# Allegro board OPT8241-CDK-EVM IB 10-50_REV2P0V1.brd (continued)
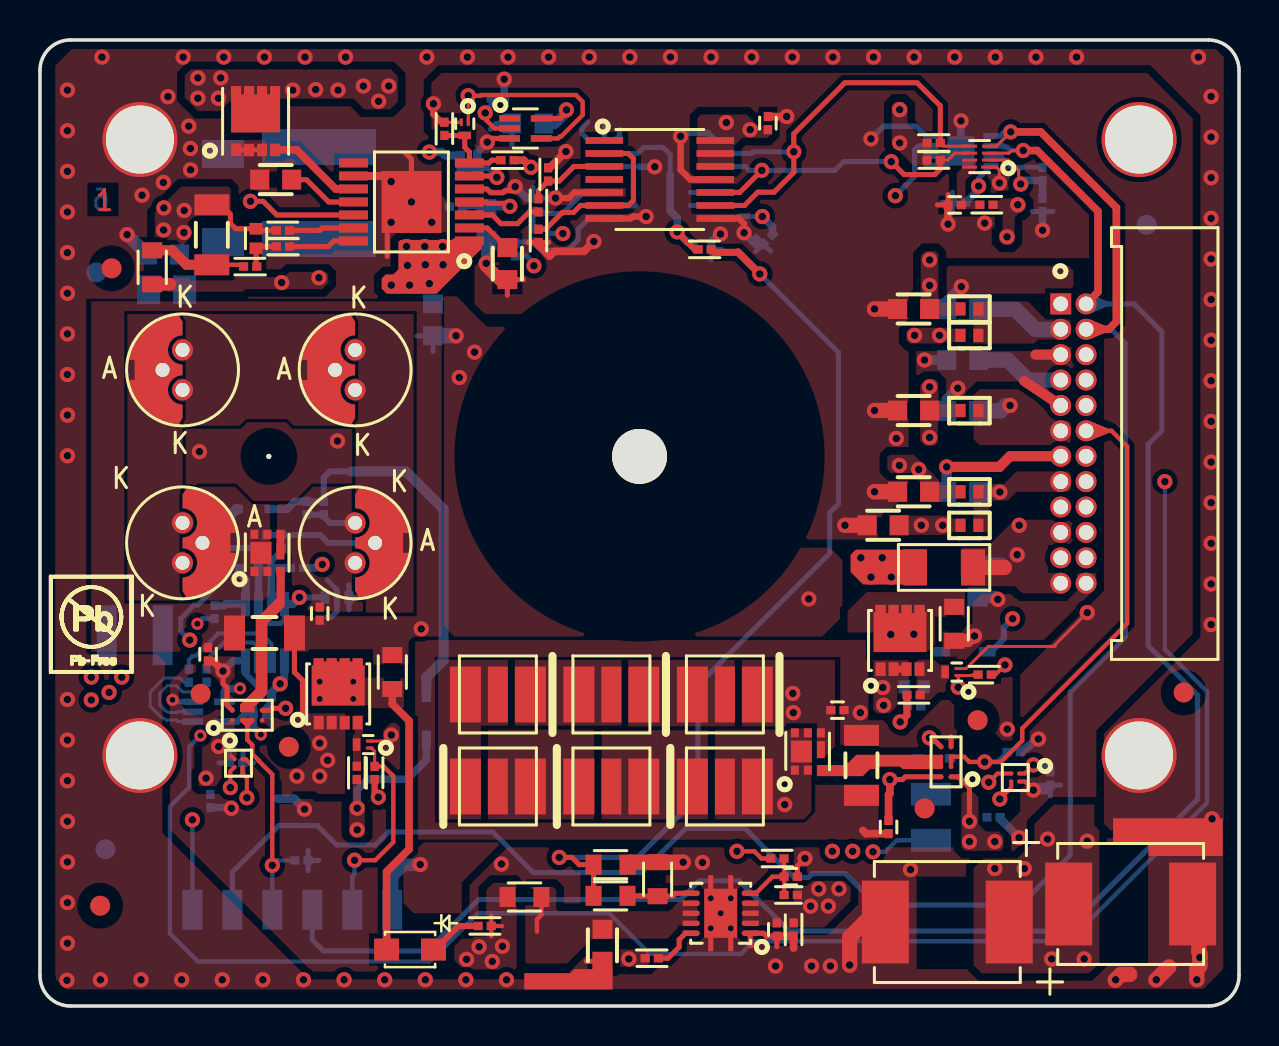
[diagram p0: board, top side]
## Copper pours and planes (outline as drawn; the poured copper is in the pictures) (continued)
VCC_IO on TOP: 42.52,23.61 42.57,23.56 45.29,23.56 45.44,23.71 46.28,23.71 46.31,23.74 46.31,24.32 46.26,24.38 45.7,24.38 45.54,24.53 42.62,24.53 42.52,24.43
VCC_IO on TOP: 46.1,10.58 46.1,7.94 46.28,7.76 48.06,7.76 48.21,7.92 48.21,8.47 47.96,8.73 47.32,8.73 46.97,9.08 46.97,10.43 46.69,10.71 46.23,10.71
VCC_IO on BOTTOM: 46.1,9.44 46.1,7.71 48.21,7.71 48.21,8.47 47.6,9.08 47.6,9.64 46.31,9.64
VCC_IO on PWR 1: 43.11,33.19 43.11,34.56 43.59,35.04 48.92,35.04 50.22,33.75 50.22,21.71 50.4,21.53 50.45,21.53 51.84,20.13 51.84,6.95 51.16,6.26 46.51,6.26 45.82,6.95 45.82,9.29 46.26,9.72 48.19,9.72 48.62,10.15 48.62,11.85 48.08,12.39 45.52,12.39 45.42,12.49 44.44,12.49 44.08,12.84 44.08,14.25 44.96,15.13 44.96,22.37 43.46,23.87 43.46,24.55 46.76,27.85 46.76,31.94 45.75,32.96 43.33,32.96
VCC_IO_1V8 on TOP: 44.05,25.26 44.05,26.23 43.61,26.66 42.57,26.66 42.4,26.84 42.4,27.45 42.52,27.58 43.72,27.58 44.99,26.31 44.99,26.1 45.04,26.05 46.28,26.05 46.31,26.03 46.31,25.42 46.28,25.39 45.24,25.39 45.09,25.24 44.07,25.24
VCC_IO_1V8 on TOP: 7.95,11.6 7.95,11.03 7.99,10.99 8.78,10.99 9.1,11.31 9.1,11.98 9.4,12.28 9.53,12.28 9.54,12.27 9.81,12.27 9.86,12.32 9.86,12.92 9.79,12.98 9.73,12.98 9.73,14.39 9.55,14.39 8.11,12.95 8.11,11.75
VCC_IO_1V8 on BOTTOM: 8.78,13.36 8.13,12.72 8.13,11.73 8.08,11.68 8.05,11.68 7.95,11.57 7.93,11.57 7.93,10.61 8.16,10.38 8.84,10.38 8.97,10.51 8.97,11.32 9.55,11.9 9.67,11.9 9.73,11.97 9.73,13.22 9.59,13.36
VCC_IO_1V8 on PWR 2: 0.89,18.86 0.89,47.16 1.6,47.87 58.8,47.87 59.21,47.46 59.21,1.72 58.27,0.78 24.92,0.78 24.16,1.54 24.16,3.5 23.52,4.13 14.63,4.13 11.84,6.93 6.89,6.93 5.74,8.07 5.74,9.59 3.58,11.75 3.58,13.66 5.49,15.56 5.49,17.21 4.98,17.72 2.03,17.72 ; 1 cut-out
VCC_POW_5V0 on TOP (solid shape): 44.38,22.7 44.38,21.23 44.24,21.09 41.19,21.09 40.57,21.71 40.57,22.57 40.82,22.83 44.25,22.83
VCC_POW_5V0 on TOP (solid shape): 22.1,37.89 19.84,35.63 17.35,35.63 17.1,35.88 17.1,36.39 17.3,36.59 17.68,36.59 17.93,36.85 17.93,38.22 18.04,38.32 20.63,38.32 20.7,38.4 22.1,38.4
VCC_POW_5V0 on TOP: 35.13,5.22 35.13,4.08 35.21,4 36.5,4 36.58,3.93 39.25,3.93 40.57,5.25 40.57,5.93 40.24,6.26 38.64,6.26 38.38,6.01 37.77,6.01 37.67,5.91 37.67,5.3 37.57,5.2 36.96,5.2 36.86,5.3 35.21,5.3
VCC_POW_5V0 on TOP: 46.71,6.87 46.71,2.05 47.12,1.64 52.5,1.64 53.01,2.15 53.01,8.78 52.76,9.03 52.76,10.05 52.73,10.07 50.73,10.07 49.76,9.11 49.76,8.25 48.9,7.38 47.22,7.38
VCC_POW_5V0 on TOP: 29.03,2.84 30.41,2.84 30.51,2.73 30.51,2.05 30.43,1.97 29.03,1.97
VCC_POW_5V0 on BOTTOM: 11,35.17 11,39.18 11.15,39.34 16.64,39.34 17.6,38.37 20.3,38.37 20.7,37.96 20.7,34.87 20.5,34.66 19.23,34.66 18.82,34.26 11.92,34.26
VCC_POW_5V0 on PWR 2: 49.48,9.36 45.95,9.36 43.79,11.52 43.79,15.1 44.94,16.25 44.94,23.28 42.29,25.92 42.29,38.17 37.98,42.49 22.13,42.49 18.37,38.73 17.43,38.73 16.54,37.84 16.54,35.53 16.84,35.22 21.57,35.22 24.21,37.86 25.89,37.86 26.19,37.56 33,37.56 35.13,35.42 35.13,14.22 26.52,5.6 26.52,3.37 27.59,2.3 45.95,2.3 46,2.35 49.18,2.35 49.81,1.72 52.61,1.72 56.34,5.45 56.34,12.26 55.7,12.89 53.01,12.89
ILLUM_EN_G_HEXLED on TOP: 43.84,15.31 43.84,17.21 43.97,17.34 44.73,17.34 44.99,17.09 45.49,17.09 45.49,15.94 44.86,15.31
ILLUM_EN_G_QUADLASER on TOP: 15.66,14.53 15.66,11.93 16.06,11.93 16.06,13.12 16.04,13.14 16.04,13.39 16.16,13.51 16.16,14.51 16.13,14.53
ILLUM_HEX_LED on TOP: 7.34,36.41 7.04,36.72 7.04,37.43 7.27,37.66 9.48,37.66 9.48,36.54 9.55,36.47 12.22,36.47 12.47,36.72 14.3,36.72 14.43,36.59 14.43,36.16 14.12,35.86 10.29,35.86 10.16,35.73 5.08,35.73 5.03,35.78 5.03,36.41 5.18,36.57 6.05,36.57 6.2,36.41
ILLUM_HEX_LED on BOTTOM: 45.6,9.01 39.55,9.01 39.19,8.65 39.19,7.38 39.4,7.18 45.44,7.18 45.6,7.33
ILLUM_HEX_LED on SIG: 39.58,7.13 38.38,8.32 35.71,8.32 33.81,10.23 25.94,10.23 16.92,19.24 16.92,32.71 15.65,33.98 12.45,33.98 11.56,34.87 11.56,37.79 12.83,39.06 12.83,41.29 14.63,43.09 19.89,43.09 20.09,42.89 20.09,42.08 19.84,41.82 17.25,41.82 15.73,40.3 15.73,37.13 15.93,36.92 17.02,36.92 19.97,33.98 19.97,22.55 28.73,13.78 35.59,13.78 36.6,14.8 36.6,16.42 39.8,19.63 41.53,19.63 41.53,18.51 39.19,16.17 39.19,12.06 42.06,9.19 42.06,7.56 41.63,7.13
ILLUM_QUAD_LASER on TOP: 23.75,1.82 23.85,1.92 23.85,6.01 23.7,6.16 22.68,6.16 22.33,5.81 22.33,3.47 21.72,3.47 21.62,3.37 21.11,3.37 20.73,2.99 20.73,2.3 21.21,1.82
ILLUM_QUAD_LASER on BOTTOM: 2.95,14.8 2.31,14.8 2.19,14.93 2.19,20.21 2.47,20.49 3.86,20.49 4.09,20.26 4.09,17.09 4.47,16.7 4.47,16.07 3.71,15.31 3.2,15.05
ILLUM_QUAD_LASER on SIG: 12.02,2.1 10.24,3.88 6.43,3.88 2.19,8.12 2.19,17.21 4.9,17.21 4.9,15.36 3.43,13.88 3.43,11.45 5.31,9.57 5.31,7.84 6.73,6.42 10.75,6.42 10.8,6.37 10.85,6.37 10.86,6.37 10.82,6.42 11.71,6.42 14.3,3.83 22.79,3.83 23.85,2.76 23.85,2.1
ILLUM_QUAD_LASER on PWR 2: 4.9,17.21 4.9,15.36 3.43,13.88 3.43,11.45 5.31,9.57 5.31,7.84 6.73,6.42 10.75,6.42 10.8,6.37 10.85,6.37 10.86,6.37 10.82,6.42 11.71,6.42 14.3,3.83 22.79,3.83 23.85,2.76 23.85,1.17 23.62,0.94 1.2,0.94 1.02,1.12 1.02,16.5 1.73,17.21
Net_5 on GND (solid shape): 9.53,0.79 6.63,0.79 6.63,2.44 9.53,2.44
Net_5 on GND (solid shape): 18.6,46.65 16.41,46.65 16.41,47.78 18.6,47.78
Net_5 on SIG (solid shape): 8.38,0.77 7.04,0.77 6.91,0.89 6.2,0.89 6.2,1.74 8.38,1.74
Net_5 on SIG (solid shape): 19.66,47.03 18.32,47.03 18.19,47.16 17.48,47.16 17.48,47.82 19.66,47.82
Net_6 on TOP (solid shape): 28.65,0.83 24.23,0.83 24.23,1.64 26.52,1.64 26.72,1.85 28.65,1.85
Net_7 on TOP (solid shape): 59.18,7.51 55.48,7.51 55.48,8.12 53.7,8.12 53.7,9.39 59.18,9.39
SW on TOP (solid shape): 10.07,45.6 10.21,45.6 10.21,46.01 10.71,46.01 10.71,45.6 10.86,45.6 10.86,46.01 11.36,46.01 11.36,45.6 11.51,45.6 11.51,46.01 12.01,46.01 12.01,43.7 9.56,43.7 9.56,46.01 10.07,46.01
SW on TOP: 7.24,46.55 7.55,46.85 17.55,46.85 17.91,46.5 17.91,45.23 17.53,44.85 16.23,44.85 15.7,45.38 9.63,45.38 9.02,44.77 7.9,44.77 7.24,45.43
SW on BOTTOM: 8.13,44.54 6.96,45.71 6.96,46.68 17.48,46.68 18.09,46.07 18.09,43.65 19,42.74 19.74,42.74 20.7,41.77 20.7,39.69 20.25,39.69 17.88,42.05 11.31,42.05 10.98,41.72 10.98,40.07 10.34,39.44 9.5,39.44 9.48,39.46 9.48,41.9 8.13,41.9
TRIG_G_HEXLED on TOP (solid shape): 45.19,12.49 45.19,11.93 45.11,11.85 43.16,11.85 43.03,11.98 41.99,11.98 41.86,11.85 41.53,11.85 41.18,11.5 38.89,11.5 38.89,12.06 40.34,12.06 40.85,12.56 45.11,12.56
TRIG_G_QUADLASER on TOP (solid shape): 12.25,19.98 11.38,19.12 11.38,15.61 10.72,14.95 10.72,14.72 10.7,14.7 10.05,14.7 10.01,14.74 10.01,15.08 10.8,15.87 10.8,19.35 11.84,20.39 11.84,21.96 12.25,21.96
N00829 on TOP: 33.78,9.34 38.27,9.34 38.6,9.67 38.6,13.88 37.57,13.88 37.51,13.82 33.8,13.82 33.78,13.81
N00829 on BOTTOM: 36.86,12.51 36.86,9.92 37.26,9.52 42.32,9.52 42.83,10.02 45.57,10.02 45.57,11.17 44.73,11.17 44.73,11.65 44.22,12.16 44.22,12.69 37.04,12.69
N00887 on TOP: 34.76,13.99 34.76,17.34 29.43,17.34 29.43,13.99
N00891 on TOP: 27.73,9.34 27.73,13.82 22.42,13.82 22.42,9.34
N00899 on TOP (solid shape): 42.31,19.65 42.46,19.65 42.46,20.06 42.96,20.06 42.96,19.65 43.11,19.65 43.11,20.06 43.61,20.06 43.61,19.65 43.76,19.65 43.76,20.06 44.26,20.06 44.26,19.71 44.36,19.71 44.36,17.7 41.71,17.7 41.71,19.71 41.81,19.71 41.81,20.06 42.31,20.06
N00899 on TOP: 41.77,17.75 41.7,17.82 41.7,18.48 40.54,18.48 40.41,18.61 40.41,19.75 41.51,20.84 46.28,20.84 46.28,19.47 44.78,19.47 44.78,18.09 44.44,17.75
N00899 on TOP: 35.13,13.99 35.13,17.34 39.78,17.34 39.78,12.98 39.24,12.43 38.88,12.43 38.85,12.46 38.85,14.04 37.37,14.04 37.32,13.99
N00899 on BOTTOM: 43.54,14.19 43.54,16.45 43.77,16.68 43.77,17.16 44.1,17.49 44.1,18.99 43.59,19.5 38,19.5 36.81,18.3 36.81,14.04 37.09,13.76 40.85,13.76 41.28,14.19
N02235 on TOP (solid shape): 7.36,25.96 9.01,25.24 9.89,23.67 9.53,23.67 9.53,22.67 9.89,22.67 9.01,21.09 7.36,20.37 7.13,20.77 7.13,21.44 7.86,22.17 7.13,22.89 7.13,23.44 7.86,24.17 7.13,24.89 7.13,25.57
N02235 on TOP: 11.51,20.62 11.51,25.11 10.62,25.11 9.76,25.98 8.03,25.98 8.03,20.29 11.18,20.29
N02235 on BOTTOM: 9.71,21.33 9.71,24.25 9.55,24.4 8.61,24.4 7.9,23.69 7.9,21.53 7.39,21.02 6.17,21.02 5.64,20.49 5.64,16.15 7.47,16.15 7.47,17.97 7.72,18.23 7.72,19.22 7.88,19.37 8.23,19.37 8.64,19.78 8.64,20.26
N02281 on TOP (solid shape): 14.2,16.98 14.35,16.98 14.35,17.39 14.85,17.39 14.85,16.98 15,16.98 15,17.39 15.5,17.39 15.5,16.98 15.65,16.98 15.65,17.39 16.15,17.39 16.15,17.04 16.25,17.04 16.25,15.03 13.6,15.03 13.6,17.04 13.7,17.04 13.7,17.39 14.2,17.39
N02281 on TOP: 18.16,14.9 16.54,14.9 16.39,15.05 13.69,15.05 13.59,15.15 13.59,16.42 18.11,16.42 18.21,16.32 18.21,14.95
N02281 on TOP: 16.16,19.73 16.16,24.58 15.85,24.58 15.6,24.83 15.6,25.98 13.67,25.98 12.8,25.11 11.86,25.11 11.86,22.6 12.6,22.6 12.6,19.73
N02281 on BOTTOM: 13.74,15 16.44,15 17.1,15.66 17.1,18.61 18.77,20.29 18.77,24.3 17.96,25.11 15.12,25.11 14.86,24.86 14.86,21.61 15.32,21.15 15.32,19.4 14.86,18.94 14.86,17.64 13.74,16.53
N02839 on TOP (solid shape): 16,25.96 17.65,25.24 18.52,23.67 18.17,23.67 18.17,22.67 18.52,22.67 17.65,21.09 16,20.37 15.77,20.77 15.77,21.44 16.5,22.17 15.77,22.89 15.77,23.44 16.5,24.17 15.77,24.89 15.77,25.57
N02839 on TOP: 18.7,34.61 15.39,34.61 15.39,30.55 15.78,30.17 15.78,24.83 16.28,24.83 16.28,24.71 16.54,24.45 16.54,23.82 16.28,23.56 16.28,22.8 16.54,22.55 16.54,21.66 16.28,21.4 16.28,19.68 18.7,19.68
N03645 on TOP (solid shape): 15.77,34.22 15.77,33.54 15.04,32.82 15.77,32.09 15.77,31.54 15.04,30.82 15.77,30.09 15.77,29.42 15.54,29.03 13.89,29.74 13.01,31.32 13.37,31.32 13.37,32.32 13.01,32.32 13.89,33.89 15.54,34.61
N03645 on TOP: 6.76,29.02 9.98,29.02 10.31,29.35 12.37,29.35 12.7,29.02 15.14,29.02 15.14,34.61 6.76,34.61
N03679 on TOP (solid shape): 7.13,34.22 7.13,33.54 6.41,32.82 7.13,32.09 7.13,31.54 6.41,30.82 7.13,30.09 7.13,29.42 6.91,29.03 5.25,29.74 4.38,31.32 4.73,31.32 4.73,32.32 4.38,32.32 5.25,33.89 6.91,34.61
N03679 on TOP: 4.37,20.29 7.27,20.29 7.27,23.56 7.39,23.56 7.77,23.94 7.77,24.32 7.27,24.83 7.01,24.83 7.01,25.85 7.14,25.98 7.14,28.91 6.85,28.91 6.63,29.12 6.63,34.33 6.91,34.61 4.37,34.61
N03848 on TOP: 29.1,14.02 29.1,17.34 23.77,17.34 23.77,14.02
N03934 on TOP: 22.06,9.34 22.06,14.02 23.41,14.02 23.41,17.34 19.84,17.34 19.84,9.34
N04868 on TOP: 33.42,9.34 33.42,13.8 28.11,13.8 28.11,9.34
N07848 on BOTTOM: 46.03,11.95 46.28,12.21 46.28,13.91 45,15.19 45,16.41 45.44,16.86 45.44,18.61 44.49,18.61 44.49,16.84 43.94,16.3 43.94,14.1 43.74,13.9 43.74,13.07 43.91,12.9 45,12.9 45.34,12.56 45.34,12.08 45.47,11.95
N16713156 on TOP: 9.63,39.46 7.67,39.46 7.42,39.21 7.42,38.32 7.17,38.07 5.9,38.07 5.74,38.22 5.74,39.67 7.06,40.99 9.43,40.99 9.55,40.86 9.55,39.54
N16713156 on BOTTOM: 10.24,37.55 10.31,37.62 10.31,38.71 9.97,39.06 7.72,39.06 7.72,40.02 7.37,40.38 6.66,40.38 6.62,40.34 5.76,40.34 5.62,40.2 5.62,38.85 6.43,38.04 6.43,36.57 6.64,36.35 6.64,34.6 6.76,34.48 9.68,34.48 10.24,35.04
N16728853 on TOP: 46.15,42.36 46.15,41.93 45.87,41.65 45.87,39.89 45.9,39.87 47.22,39.87 47.25,39.89 47.25,40.25 47.22,40.28 46.33,40.28 46.31,40.3 46.31,41.29 46.89,41.88 46.89,42.36 46.87,42.38 46.18,42.38
N16781106 on TOP: 24.31,2.12 24.28,2.15 24.28,5.68 24.56,5.96 25.68,5.96 25.83,5.81 25.83,4.84 25.94,4.74 31.47,4.74 32.01,5.27 32.9,5.27 32.9,4 32.03,4 31.4,3.37 27.61,3.37 26.37,2.12
COMP_MOD_FB on PWR 1 (solid shape): 53.45,26.3 53.49,26.23 53.45,26.16 52.57,25.75 52.33,26.23 52.57,26.71
COMP_MOD_REF on SIG (solid shape): 53.39,27.6 53.45,27.5 53.39,27.4 52.57,27.02 52.32,27.5 52.57,27.98
I2C_AUX_SCL on SIG (solid shape): 53.38,32.72 53.47,32.58 53.38,32.44 52.55,32.09 52.31,32.58 52.55,33.06
I2C_AUX_SDA on SIG (solid shape): 53.44,31.43 53.51,31.31 53.44,31.19 52.55,30.82 52.31,31.31 52.55,31.79
I2C_SLV_SCL on BOTTOM (solid shape): 53.44,35.24 53.51,35.12 53.44,35 52.55,34.63 52.31,35.12 52.55,35.6
I2C_SLV_SDA on TOP (solid shape): 53.29,34.03 53.41,33.85 53.29,33.67 52.55,33.36 52.3,33.85 52.55,34.33
I2C_SLV_SDA on BOTTOM (solid shape): 53.44,33.97 53.51,33.85 53.44,33.73 52.55,33.36 52.31,33.85 52.55,34.33
ILLUM_EN on SIG (solid shape): 51.1,35.12 50.88,34.63 49.95,35.02 49.88,35.12 49.95,35.22 50.88,35.6
ILLUM_N on TOP (solid shape): 53.47,28.87 53.54,28.77 53.47,28.67 52.55,28.28 52.32,28.77 52.55,29.25
ILLUM_P on SIG (solid shape): 53.39,30.14 53.45,30.04 53.39,29.94 52.57,29.56 52.32,30.04 52.57,30.52

Small or netless copper shapes (teardrops, artwork), in the pictures only: 2 on GND, 1 on SIG

## Text on the board
BOTTOM: 6 | LAYER 06 - BOTTOM SIGNAL 3
Ref Des/Assembly Bottom: ASSY BOT | 14
Board Geometry/Soldermask Bottom: MASK BOT | 8
Package Geometry/Pastemask Bottom: PASTE BOT | 10
Ref Des/Silkscreen Bottom: SILK BOT | 12
User.Comments: MILLIMETERS | INCHES | .XX  +/- .25 | .X   +/- .50 | .XXX +/- .076 | .XX  +/- .127 | TOLERANCES UNLESS OTHERWISE SPECIFIED | .XXX +/- .003 | .XX  +/- .005 | .XX  +/- .020 | ANGLES +/- 1 | AXIS OF TAPPED HOLES 90  +/- 1 | REMOVE ALL BURRS & SHARP EDGES | .XXX +/- .010 | THIRD ANGLE | PROJECTION | ROUGHNESS | SURFACE | o | SUBHASH | PRAKASH.A | DRAFTSMAN: | DESIGNER: | CHECKER: | ENGINEER: | APPROVED: | RELEASED: | KARTHIK.K | SYM | 05/08/15 | DATE | PROCESSES: | TITLE: | EXAS  NSTRUMENTS INC. | T | SEMICONDUCTOR OPERATIONS | REVISIONS | I | NEXT ASSEMBLY | CODE IDENTITY | NUMBER | 01295 | MATERIAL: | SCALE | SIZE | 2P0V1 | REV | 1 | SHEET | LINEAR | HOLES | MISCELLANEOUS | N | C | FABRICATION, | OPT8241-CDK-EVM | IB 10-50 | OPT8241
TOP: 1 | LAYER 01 - TOP SIGNAL 1
Ref Des/Assembly Top: ASSY TOP | 13
Board Geometry/Soldermask Top: MASK TOP | 7
Package Geometry/Pastemask Top: PASTE TOP | 9
Ref Des/Silkscreen Top: SILK TOP | 11
GND: 2 | LAYER 02 - GND SPLIT PLANE 01
SIG: 3 | LAYER 03 - SIGNAL 2
PWR 1: 4 | LAYER 04 - POWER SPLIT PLANE 01
PWR 2: 5 | LAYER 05 - POWER SPLIT PLANE 02
DIMENSION: A | B | E | C | A1 | M | 1 | 19 | PCB EDGE | 5
BODY_CENTER: TEXAS INSTRUMENTS | VOXEL24U-LED | 22 SEP 2014 | SHEET   OF 17 | TOP LAYER | PCB REV 1p1_B | 1 | TI - CONFIDENTIAL, NDA RESTRICTIONS
DISPLAY_BOTTOM: OPT8241-CDK-EVM IB 10-50 | REV 2P0 | 29 APR 2015 | 1519
User.5: A | REV 2P0 | OPT8241-CDK-EVM IB 10-50 | 1519
User.6: TEXAS INSTRUMENTS | OPT8241-CDK-EVM IB 10-50 | REV 2P1 | SHEET   OF 14 | 08-MAY-2015
User.8: A | 5 | M | A1 | 19 | PCB EDGE
User.10: INSTRUCTION: | COVER U13 WITH A MATERIAL OPAQUE TO 850nm WAVELENGTH LIGHT
User.12: P1 | P2 | P3 | P4 | 2 | 4 | 10. BOARDS SHALL BE RoHS and REACH COMPLIANT | 12. PCB MATERIAL REQUIREMENT; | 11. DO NOT USE CHEMICAL BATH FOR CLEANING THE BOARDS, | GENERAL NOTES: | 1. ALL FABRICATION ITEMS MUST MEET OR EXCEED BEST INDUSTRY PRACTICE. | 2. LAMINATE MATERIAL: COPPER CLAD FR-4 HIGH-TG | 3. COPPER WEIGHT: 2 OZ ON EXTERNAL LAYERS AND 1 OZ ON INTERNAL LAYERS | 4. FINISHED BOARD THICKNESS: 1.6 mm +/- 10% | 5. MAXIMUM WARP AND TWIST TO BE .005 INCH PER INCH | 6. MINIMUM COPPER WALL THICKNESS OF PLATED-THRU HOLES TO BE .001 INCH | 7. MINIMUM ANNULAR RING OF PLATED-THRU HOLES TO BE .002 INCH | 8. MAXIMUM ALLOWABLE LINE REDUCTION TO BE 20% OR .002 INCH WHICHEVER IS GREATEST | 9. BOARD DIMENSION : 60mm X 48.319mm | IPC-A-600C (Commercial Std.) | PCB MUST BEAR UL REGISTERED MATERIAL ID NUMBER. | MUST MEET OR EXCEED UL94-V0 REQUIREMENTS. | SO AS NOT TO DAMAGE THE OPTICAL SENSOR COATING. | UNLESS OTHERWISE SPECIFIED | PROCESS NOTES: | P1. SOLDERMASK BOTH SIDES PER ARTWORK: BLACK LPI | P2. SILKSCREEN BOTH SIDES PER ARTWORK: COLOR=WHITE | P3. PLATING: SOFT GOLD FOR ENTIRE CIRCUITRY | P5. VIA FILLING NOT REQUIRED. | P6. REDUCE THE PREPERG THICKNESS BETWEEN L1 AND L2, L5 AND L6. | P4. 0.012" AND 0.015" DRILLED VIAS NEED TO BE TENTED ON BOTH SIDES | SOLDERMASK CLEARANCE IS GIVEN AS SAME AS PAD SIZE FOR ALL COMPONENTS | VENDOR SHALL OVERSIZE THE MASK CLEARANCES | AS PER THEIR MANUFACTURING CAPABILITIES | 4 PLACES | VIEW FROM TOP SIDE | FAB AND DRILL DETAILS | CUT OUT | LAYER 06 - BOTTOM SIGNAL 3 | LAYER 03 - SIGNAL 2 | LAYER 01 - TOP SIGNAL 1 | LAYER 02 - GND SPLIT PLANE 01 | LAYER 04 - POWER SPLIT PLANE 01 | LAYER 05 - POWER SPLIT PLANE 02 | NO SCALE | SECTION A-A | STACK UP
User.13: FIGURE | SIZE | 12.0 | 15.0 | 27.56 | 29.13 | 134.0 | 90.5 | 118.0 | DRILL CHART: TOP to BOTTOM | ALL UNITS ARE IN MILS | TOLERANCE | +0.0/-12.0 | +0.0/-15.0 | +1.97/-1.97 | +2.01/-0.0 | +2.0/-2.0 | +3.0/-3.0 | PLATED | NON-PLATED | QTY | 14 | 276 | 12 | 24 | 4 | 1
